# KiCad board ZakladniElektronika.kicad_pcb (continued)
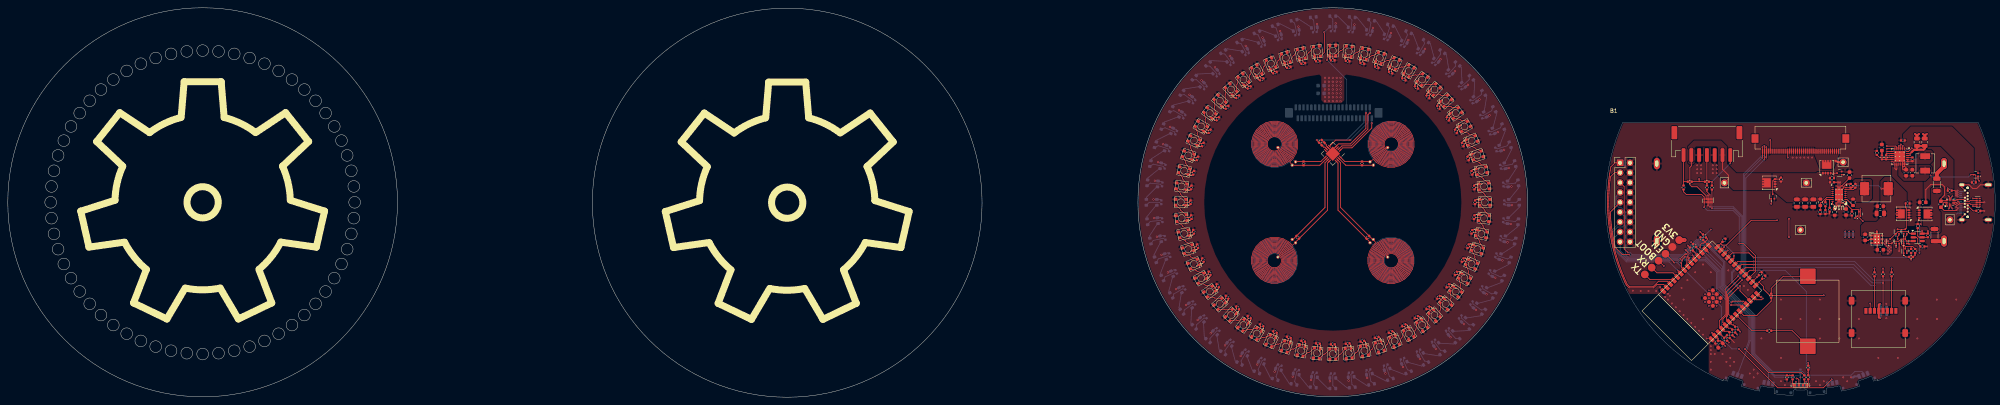
[diagram p0: board, top side]
## Routing (per net, layer and track width the routed paths; a pad name or vN(x,y) marks a point on that pad's centre or on a via; arc(x,y) is an arc through that point) (continued)
  Bottom w0.2: v1(430.5,37.9) 430.71,37.9 433.32,40.5 434.4,40.5 v1(437,43.1)
/HlavniDeska/Nabijecka.D+: length 23
  Top w0.2: v1(498.05,48.5) 498.2,48.65 U2.1 ; v1(486.25,64.62) U3.2
  In1.Cu w0.2: v1(498.05,48.5) 498.05,51.07 495.9,53.22 495.9,55.28 486.56,64.62 v1(486.25,64.62)
/HlavniDeska/Nabijecka.D-: length 21.2
  Top w0.2: U3.3 v1(485.75,64.96) ; v1(497.98,51.79) 498.2,51.57 U2.7
  In1.Cu w0.2: v1(485.75,64.96) 485.86,65.07 486.67,65.07 488.08,63.66 488.08,63.64 488.34,63.38 488.36,63.38 496.3,55.44 496.3,53.47 v1(497.98,51.79)
/HlavniDeska/SCL: length 88.4
  Top w0.2: U3.5 484.75,64.27 484.46,64.56 v1(482.14,64.56) ; v1(444.5,30.6) 440.98,27.08 440.98,21.01 440.1,20.13 440.1,19.18 U11.5 441.53,17.75 442.14,17.75 R37.2 ; v1(450.25,64.29) J11.40 450.25,61.59 v1(450.24,61.58)
  In1.Cu w0.2: v1(450.25,64.29) 450.25,64.76 450.62,65.13 481.57,65.13 v1(482.14,64.56)
  Bottom w0.2: v1(450.24,61.58) 445.69,57.03 445.69,32.65 444.5,31.47 v1(444.5,30.6)
/HlavniDeska/SDA: length 85.6
  Top w0.2: v1(450.75,64.62) J11.39 v1(450.75,61.1) ; U3.6 482.15,63.86 v1(482.14,63.87) ; R39.2 442.79,18.6 442.48,18.6 U11.6 441.01,20.07 441.01,20.59 441.28,20.86 441.28,26.38 v1(445,30.1)
  In1.Cu w0.2: v1(482.14,63.87) 481.18,64.83 450.96,64.83 v1(450.75,64.62)
  Bottom w0.2: v1(450.75,61.1) 445.99,56.34 445.99,32.53 445,31.54 v1(445,30.1)
/HlavniDeska/SpravceNapajeni/CHARGER_STAT: length 100
  Top w0.2: U3.4 v1(485.25,64.62) ; v1(462,8.88) R13.1
  In1.Cu w0.2: v1(462,8.88) 473.58,8.88 506.58,41.88 506.58,47.72 506.57,47.72 506.57,48.08 506.58,48.08 506.58,49.92 506.57,49.92 506.57,50.28 506.58,50.28 506.58,56.38 497.54,65.41 485.56,65.41 485.25,65.1 v1(485.25,64.62)
/HlavniDeska/SpravceNapajeni/Charging/BATT: length 68.7
  Top w0.2: U3.14 484.75,58.64 484.56,58.45 484.25,58.76 U3.13
  In1.Cu w0.2: v1(461.51,4.01) 461.5,4.02 461.47,4.02 461.4,3.95 459.6,3.95 ; 459.6,3.95 459.52,3.95 459.53,3.96 459.53,7.49 461.69,9.64 473.39,9.64 490.55,26.8 v1(490.55,37.11) ; 459.6,3.95 v1(458.85,3.95)
  Bottom w0.2: v1(490.85,44.51) 490.55,44.21 v1(490.55,37.11) ; SW3.1 v1(458.85,3.95) ; v1(461.51,4.01) 461.15,3.65 SW3.1
/HlavniDeska/SpravceNapajeni/Charging/CE: length 27.4
  Top w0.2: v1(503.7,57.2) Q9.3 504.8,57.2 505.01,56.99 R53.2 ; U3.9 482.85,62.15 v1(482.8,62.1)
  In1.Cu w0.2: v1(482.8,62.1) 483.65,61.25 489.15,61.25 v1(493.4,57)
  Bottom w0.2: v1(493.4,57) 493.8,56.6 503.1,56.6 v1(503.7,57.2)
/HlavniDeska/SpravceNapajeni/Charging/SW: length 1.8
  Top w0.2: U3.20 U3.19 487.48,60.67 C6.1
/HlavniDeska/SpravceNapajeni/Power multiplier/EN-5V: length 25.4
  Top w0.2: U16.2 471.55,49.9 473.2,48.25 ; R47.2 473.2,48.25 ; 473.2,48.25 474.8,48.25 475,48.05 D122.3 475,46.25 v1(476,45.25)
  In1.Cu w0.2: TP8.1 461.34,44.34 475.09,44.34 v1(476,45.25)
/HlavniDeska/SpravceNapajeni/USB_SEL: length 24.4
  Top w0.2: U2.10 497.54,49.26 v1(497.55,49.25) ; v1(497.8,53.7) 497.8,53.42 497.79,53.41 R2.2 ; U3.24 487.73,63.15 v1(488.57,63.99)
  In1.Cu w0.2: v1(497.55,49.25) 497.55,48.36 497.86,48.05 498.24,48.05 498.5,48.31 498.5,53 v1(497.8,53.7) 497,54.5 497,55.56 v1(488.57,63.99)
/HlavniDeska/USB/D+: length 7.9
  Top w0.2: v1(500.4,50.35) 500.74,50.01 500.74,49.7 ; U13.4 503.65,49.6 503.4,49.85 502.36,49.85 J2.B6 500.74,49.7 ; 500.74,49.7 500.39,49.36 499.99,49.36 499.65,49.7 U2.3
  Bottom w0.2: v1(500.4,50.35) J2.A6
/HlavniDeska/USB/D-: length 7.8
  Top w0.2: U2.5 499.85,50.5 500.18,50.82 501.88,50.82 J2.B7 502.36,50.35 503.35,50.35 503.6,50.6 U13.2
  Bottom w0.2: J2.A7 501.56,49.85 J2.B7
/HlavniDeska/USB/USB_CC1: length 1.7
  Bottom w0.2: J2.A5 R4.1
/HlavniDeska/USB/USB_CC2: length 2.8
  Top w0.2: R3.1 504.31,47.9 J2.B5
/HlavniDeska/USB/V_USB: length 33.4
  Top w0.2: R2.1 499.65,53.1 v1(499.9,52.85) ; U13.1 v1(504.25,51.1) ; U2.9 496.88,50.1 496.66,49.89 496.66,49.41 496.07,48.82 C162.1 496.88,48 499.91,48 v1(500.09,48.18) ; U13.5 v1(504.25,49.1)
  In1.Cu w0.1: J2.B9 501.75,51.3 501.71,51.34
  In1.Cu w0.2: 500.01,45.65 499.96,45.6 TP1.1 ; J2.B9 502.1,51.3 502.05,51.25 ; 502.25,48.95 502.15,48.95 501.9,48.7 502.1,48.9 J2.B4
  In1.Cu w0.8: 501.25,50.88 501.25,48.05
  In1.Cu w1: 501.25,50.88 501.71,51.34 ; 501.23,48.02 501.25,48.05 ; 501.23,48.02 501.9,48.7 ; 501.23,48.02 500.01,46.81 500.01,45.14 500.65,44.5 502.56,44.5 504.25,46.19 v1(504.25,49.1) v1(504.25,51.1)
  Bottom w0.2: J2.A9 502.16,48.85 J2.B4 ; J2.B9 502.16,51.35 J2.A4
  vias: v1(499.9,52.35) v1(499.9,51.85) v1(499.96,48.89) v1(500.31,53.1) v1(500.31,52.6) v1(500.31,52.1) v1(500.31,51.6) v1(500.39,48.6)
/LedDeska/AN-GND: length 25.8
  Top w0.2: U1.3 340,62.95 ; 340,62.95 U1.6 338.32,64.63 338.32,64.96 C4.2 C3.2 ; 340,62.95 U1.17 ; v2(348.5,73.1) 348.5,69.1 344.5,65.1 341.44,65.1 U1.4 340,63.66 U1.17 ; U1.17 338.94,62.6 U1.8
  Bottom w0.2: v2(348.5,73.1) J10.37
/LedDeska/INT-LDC: length 13.5
  Top w0.2: v2(344.5,66.1) 340.76,66.1 U1.5
  Bottom w0.2: v2(344.5,66.1) 349,70.6 J10.38
/LedDeska/LED-GND: length 316.9
  Top w0.2: C40.2 347.69,13.93 347.86,13.13 ; C23.2 373.78,65.14 374.53,65.47 ; 365.29,22.01 364.74,22.62 C35.2 ; 304.05,38.42 304.83,38.67 C54.2 ; C50.2 312.52,25.36 311.91,24.81 ; 317.78,80.68 318.26,80.02 C66.2 ; C43.2 336.13,13.32 336.05,12.51 ; C36.2 361.74,20.18 362.22,19.52 ; C44.2 332.31,13.93 332.14,13.13 ; 336.05,87.69 336.13,86.88 C71.2 ; 370.58,27.88 369.92,28.36 C33.2 ; 377.59,54.05 376.78,53.97 C26.2 ; C31.2 373.78,35.06 374.53,34.73 ; 358.9,82.84 358.49,82.13 C17.2 ; C68.2 324.96,83.88 324.63,84.63 ; C25.2 376.17,57.79 376.97,57.96 ; C30.2 375.17,38.67 375.95,38.42 ; C58.2 303.22,53.97 302.41,54.05 ; C64.2 312.52,74.84 311.91,75.39 ; C24.2 375.17,61.53 375.95,61.78 ; 368.09,24.81 367.48,25.36 C34.2 ; C63.2 310.08,71.84 309.42,72.32 ; C49.2 315.26,22.62 314.71,22.01 ; 302.41,46.15 303.22,46.23 C56.2 ; 321.1,82.84 321.51,82.13 C67.2 ; C53.2 306.22,35.06 305.47,34.73 ; 376.97,42.24 376.17,42.41 C29.2 ; C20.2 367.48,74.84 368.09,75.39 ; 372.74,31.2 372.03,31.61 C32.2 ; C13.2 343.87,86.88 343.95,87.69 ; C48.2 318.26,20.18 317.78,19.52 ; C15.2 351.43,85.27 351.68,86.05 ; 324.63,15.57 324.96,16.32 C46.2 ; 309.42,27.88 310.08,28.36 C51.2 ; C55.2 303.83,42.41 303.03,42.24 ; 355.37,15.57 355.04,16.32 C38.2 ; 314.71,78.19 315.26,77.58 C65.2 ; 340,12.3 340,13.12 C42.2 ; 321.1,17.36 321.51,18.07 C47.2 ; 305.47,65.47 306.22,65.14 C61.2 ; 362.22,80.68 361.74,80.02 C18.2 ; C60.2 304.83,61.53 304.05,61.78 ; 343.95,12.51 343.87,13.32 C41.2 ; 340,87.9 340,87.08 C12.2 ; 307.26,31.2 307.97,31.61 C52.2 ; C39.2 351.43,14.93 351.68,14.15 ; 377.59,46.15 376.78,46.23 C28.2 ; C70.2 332.31,86.27 332.14,87.07 ; C62.2 307.97,68.59 307.26,69 ; C27.2 376.98,50.1 377.8,50.1 ; C57.2 303.02,50.1 302.2,50.1 ; C45.2 328.57,14.93 328.32,14.15 ; 355.37,84.63 355.04,83.88 C16.2 ; C14.2 347.69,86.27 347.86,87.07 ; 358.9,17.36 358.49,18.07 C37.2 ; 365.29,78.19 364.74,77.58 C19.2 ; 328.32,86.05 328.57,85.27 C69.2 ; 370.58,72.32 369.92,71.84 C21.2 ; 303.03,57.96 303.83,57.79 C59.2 ; C22.2 372.03,68.59 372.74,69
  Bottom w0.2: D90.3 344,5.15 343.9,6.02 C101.2 ; D90.3 v2(344.06,4.27) ; D90.3 v2(344.06,4.27) ; D90.3 v2(344.06,4.27) ; D71.3 379.44,72.03 378.68,71.59 C82.2 ; D71.3 v2(380.21,72.45) ; D71.3 v2(380.21,72.45) ; D71.3 v2(380.21,72.45) ; D111.3 v2(300.54,73.75) ; D111.3 v2(300.54,73.75) ; D111.3 v2(300.54,73.75) ; D111.3 301.28,73.29 302.05,72.85 C122.2 ; D117.3 v2(321.98,92.43) ; D117.3 v2(321.98,92.43) ; D117.3 v2(321.98,92.43) ; D117.3 322.31,91.62 322.67,90.81 C128.2 ; D119.3 331.33,94.39 331.51,93.53 C130.2 ; D119.3 v2(331.17,95.25) ; D119.3 v2(331.17,95.25) ; D119.3 v2(331.17,95.25) ; D100.3 v2(302.34,23.67) ; D100.3 v2(302.34,23.67) ; D100.3 303.07,24.16 303.78,24.68 C111.2 ; D100.3 v2(302.34,23.67) ; D115.3 v2(313.57,87.76) ; D115.3 v2(313.57,87.76) ; D115.3 v2(313.57,87.76) ; D115.3 314.06,87.03 314.58,86.32 C126.2 ; D105.3 v2(294.17,46.04) ; D105.3 v2(294.17,46.04) ; D105.3 295.05,46.1 295.92,46.2 C116.2 ; D105.3 v2(294.17,46.04) ; D104.3 v2(294.85,41.27) ; D104.3 295.71,41.43 296.57,41.61 C115.2 ; D104.3 v2(294.85,41.27) ; D104.3 v2(294.85,41.27) ; D99.3 305.98,20.44 306.63,21.03 C110.2 ; D99.3 v2(305.31,19.88) ; D99.3 v2(305.31,19.88) ; D99.3 v2(305.31,19.88) ; D78.3 383.99,40.01 383.13,40.19 C89.2 ; D78.3 v2(384.84,39.8) ; D78.3 v2(384.84,39.8) ; D78.3 v2(384.84,39.8) ; C75.2 354.36,91.96 354.63,92.79 D64.3 ; C107.2 317.25,12.15 316.81,11.38 D96.3 ; D116.3 v2(317.65,90.31) ; D116.3 v2(317.65,90.31) ; D116.3 v2(317.65,90.31) ; D116.3 318.07,89.54 318.51,88.78 C127.2 ; D75.3 v2(385.83,54.16) ; D75.3 384.95,54.1 384.08,54 C86.2 ; D75.3 v2(385.83,54.16) ; D75.3 v2(385.83,54.16) ; D65.3 v2(359.4,91.82) ; D65.3 v2(359.4,91.82) ; D65.3 359.02,91.03 358.66,90.22 C76.2 ; D65.3 v2(359.4,91.82) ; D79.3 v2(383.52,35.17) ; D79.3 382.69,35.47 381.86,35.74 C90.2 ; D79.3 v2(383.52,35.17) ; D79.3 v2(383.52,35.17) ; D80.3 v2(381.72,30.7) ; D80.3 v2(381.72,30.7) ; D80.3 v2(381.72,30.7) ; D80.3 380.93,31.08 380.12,31.44 C91.2 ; D91.3 v2(339.25,4.1) ; D91.3 339.27,4.97 339.27,5.85 C102.2 ; D91.3 v2(339.25,4.1) ; D91.3 v2(339.25,4.1) ; D72.3 v2(382.33,68.12) ; D72.3 v2(382.33,68.12) ; D72.3 v2(382.33,68.12) ; D72.3 381.52,67.79 380.71,67.43 C83.2 ; D69.3 374.02,79.76 373.37,79.17 C80.2 ; D69.3 v2(374.69,80.32) ; D69.3 v2(374.69,80.32) ; D69.3 v2(374.69,80.32) ; D86.3 v2(362.35,9.89) ; D86.3 v2(362.35,9.89) ; D86.3 v2(362.35,9.89) ; D86.3 361.93,10.66 361.49,11.42 C97.2 ; C117.2 295.75,50.82 294.88,50.82 D106.3 ; D110.3 v2(298.28,69.5) ; D110.3 v2(298.28,69.5) ; D110.3 299.07,69.12 299.88,68.76 C121.2 ; D110.3 v2(298.28,69.5) ; D87.3 357.69,8.58 357.33,9.39 C98.2 ; D87.3 v2(358.02,7.77) ; D87.3 v2(358.02,7.77) ; D87.3 v2(358.02,7.77) ; D76.3 385.12,49.38 384.25,49.38 C87.2 ; D76.3 v2(386,49.35) ; D76.3 v2(386,49.35) ; D76.3 v2(386,49.35) ; D94.3 v2(325.07,6.58) ; D94.3 325.37,7.41 325.64,8.24 C105.2 ; D94.3 v2(325.07,6.58) ; D94.3 v2(325.07,6.58) ; C93.2 375.37,23.51 376.08,22.99 D82.3 ; D109.3 297.31,64.73 298.14,64.46 C120.2 ; D109.3 v2(296.48,65.03) ; D109.3 v2(296.48,65.03) ; D109.3 v2(296.48,65.03) ; D112.3 v2(303.23,77.74) ; D112.3 303.92,77.21 304.63,76.69 C123.2 ; D112.3 v2(303.23,77.74) ; D112.3 v2(303.23,77.74) ; D84.3 v2(370.22,15.41) ; D84.3 369.66,16.08 369.07,16.73 C95.2 ; D84.3 v2(370.22,15.41) ; D84.3 v2(370.22,15.41) ; D118.3 v2(326.5,94.08) ; D118.3 v2(326.5,94.08) ; D118.3 326.75,93.24 327.02,92.4 C129.2 ; D118.3 v2(326.5,94.08) ; D96.3 v2(316.35,10.64) ; D96.3 v2(316.35,10.64) ; D96.3 v2(316.35,10.64) ; D107.3 v2(294.33,55.65) ; D107.3 v2(294.33,55.65) ; D107.3 295.2,55.54 296.07,55.45 C118.2 ; D107.3 v2(294.33,55.65) ; D68.3 v2(371.34,83.78) ; D68.3 370.73,83.15 370.14,82.5 C79.2 ; D68.3 v2(371.34,83.78) ; D68.3 v2(371.34,83.78) ; D89.3 v2(348.83,4.95) ; D89.3 v2(348.83,4.95) ; D89.3 v2(348.83,4.95) ; D89.3 348.67,5.81 348.49,6.67 C100.2 ; D83.3 v2(373.68,18.76) ; D83.3 v2(373.68,18.76) ; D83.3 v2(373.68,18.76) ; D83.3 373.05,19.37 372.4,19.96 C94.2 ; D73.3 v2(383.98,63.6) ; D73.3 v2(383.98,63.6) ; D73.3 383.14,63.35 382.3,63.08 C84.2 ; D73.3 v2(383.98,63.6) ; D66.3 363.19,88.82 362.75,88.05 C77.2 ; D66.3 v2(363.65,89.56) ; D66.3 v2(363.65,89.56) ; D66.3 v2(363.65,89.56) ; D77.3 384.8,44.66 383.93,44.75 C88.2 ; D77.3 v2(385.67,44.55) ; D77.3 v2(385.67,44.55) ; D77.3 v2(385.67,44.55) ; D101.3 v2(299.79,27.75) ; D101.3 v2(299.79,27.75) ; D101.3 300.56,28.17 301.32,28.61 C112.2 ; D101.3 v2(299.79,27.75) ; D103.3 v2(296.02,36.6) ; D103.3 v2(296.02,36.6) ; D103.3 296.86,36.85 297.7,37.12 C114.2 ; D103.3 v2(296.02,36.6) ; D95.3 v2(320.6,8.38) ; D95.3 320.98,9.17 321.34,9.98 C106.2 ; D95.3 v2(320.6,8.38) ; D95.3 v2(320.6,8.38) ; D81.3 378.72,26.91 377.95,27.35 C92.2 ; D81.3 v2(379.46,26.45) ; D81.3 v2(379.46,26.45) ; D81.3 v2(379.46,26.45) ; D70.3 v2(377.66,76.53) ; D70.3 v2(377.66,76.53) ; D70.3 v2(377.66,76.53) ; D70.3 376.93,76.04 376.22,75.52 C81.2 ; D97.3 v2(312.36,13.33) ; D97.3 v2(312.36,13.33) ; D97.3 v2(312.36,13.33) ; D97.3 312.89,14.02 313.41,14.73 C108.2 ; D74.3 v2(385.15,58.93) ; D74.3 v2(385.15,58.93) ; D74.3 v2(385.15,58.93) ; D74.3 384.29,58.77 383.43,58.59 C85.2 ; D93.3 329.91,6.11 330.09,6.97 C104.2 ; D93.3 v2(329.7,5.26) ; D93.3 v2(329.7,5.26) ; D93.3 v2(329.7,5.26) ; C96.2 365.42,13.88 365.94,13.17 D85.3 ; D88.3 v2(353.5,6.12) ; D88.3 353.25,6.96 352.98,7.8 C99.2 ; D88.3 v2(353.5,6.12) ; D88.3 v2(353.5,6.12) ; D85.3 v2(366.43,12.44) ; D85.3 v2(366.43,12.44) ; D85.3 v2(366.43,12.44) ; C113.2 299.29,32.77 298.48,32.41 D102.3 ; D64.3 v2(354.93,93.62) ; D64.3 v2(354.93,93.62) ; D64.3 v2(354.93,93.62) ; D120.3 v2(335.94,95.93) ; D120.3 336,95.05 336.1,94.18 C131.2 ; D120.3 v2(335.94,95.93) ; D120.3 v2(335.94,95.93) ; D106.3 v2(294,50.85) ; D106.3 v2(294,50.85) ; D106.3 v2(294,50.85) ; D67.3 v2(367.64,86.87) ; D67.3 367.11,86.18 366.59,85.47 C78.2 ; D67.3 v2(367.64,86.87) ; D67.3 v2(367.64,86.87) ; D108.3 v2(295.16,60.4) ; D108.3 v2(295.16,60.4) ; D108.3 296.01,60.19 296.87,60.01 C119.2 ; D108.3 v2(295.16,60.4) ; D98.3 309.27,17.05 309.86,17.7 C109.2 ; D98.3 v2(308.66,16.42) ; D98.3 v2(308.66,16.42) ; D98.3 v2(308.66,16.42) ; D63.3 v2(350.3,94.94) ; D63.3 350.09,94.09 349.91,93.23 C74.2 ; D63.3 v2(350.3,94.94) ; D63.3 v2(350.3,94.94) ; D113.3 v2(306.32,81.44) ; D113.3 v2(306.32,81.44) ; D113.3 v2(306.32,81.44) ; D113.3 306.95,80.83 307.6,80.24 C124.2 ; C73.2 345.35,94.03 345.44,94.9 D62.3 ; C125.2 310.93,83.47 310.34,84.12 D114.3 ; D82.3 v2(376.77,22.46) ; D82.3 v2(376.77,22.46) ; D82.3 v2(376.77,22.46) ; D62.3 v2(345.55,95.77) ; D62.3 v2(345.55,95.77) ; D62.3 v2(345.55,95.77) ; D92.3 v2(334.45,4.43) ; D92.3 v2(334.45,4.43) ; D92.3 334.56,5.3 334.65,6.17 C103.2 ; D92.3 v2(334.45,4.43) ; D102.3 v2(297.67,32.08) ; D102.3 v2(297.67,32.08) ; D102.3 v2(297.67,32.08) ; D114.3 v2(309.78,84.79) ; D114.3 v2(309.78,84.79) ; D114.3 v2(309.78,84.79) ; C72.2 340.73,94.34 340.73,95.22 D61.3 v2(340.75,96.1)
  vias: v2(338,82.1) v2(338,81.1) v2(338,79.1) v2(338,77.1) v2(338,76.1) v2(339,82.1) v2(339,81.1) v2(339,80.1) v2(339,79.1) v2(339,78.1) v2(339,77.1) v2(339,76.1) v2(340,82.1) v2(340,81.1) v2(340,80.1) v2(340,79.1) v2(340,78.1) v2(340,77.1) v2(340,76.1) v2(341,82.1) v2(341,81.1) v2(341,80.1) v2(341,79.1) v2(341,78.1) v2(341,77.1) v2(341,76.1) v2(342,82.1) v2(342,81.1) v2(342,80.1) v2(342,79.1) v2(342,78.1) v2(342,77.1) v2(342,76.1)
/LedDeska/LedRing-Axial/DOUT: length 8.8
  Top w0.2: D60.2 337.82,88.64 v2(337.82,93.82)
  Bottom w0.2: 339.23,95.42 D61.4 v2(337.82,93.82)
/LedDeska/SCL: length 13
  Top w0.2: U1.1 342.56,64.1 344.9,64.1 350,69.2 v2(350,70.44)
  Bottom w0.2: v2(350,70.44) J10.40
/LedDeska/SDA: length 15.4
  Top w0.2: U1.2 342.35,64.6 344.7,64.6 349,68.9 349,72.59 v2(349.5,73.09)
  Bottom w0.2: v2(349.5,73.09) J10.39
/LedDeska/WS2812: length 18.3
  Top w0.2: v2(338.55,86.65) 338.55,89.15 339.25,89.85 D1.4
  Bottom w0.2: J10.27 343.5,81.7 v2(338.55,86.65)
Net-(BZ1-+): length 12.1
  Top w0.2: R15.2 452.5,28 455.6,31.1 BZ1.2
Net-(BZ1--): length 11
  Top w0.2: BZ1.1 457.9,17.1 R14.2
Net-(C157-Pad1): length 1
  Top w0.2: C157.1 R56.2
Net-(D1-DOUT): length 3.8
  Top w0.2: D1.2 340.75,87.85 342.02,89.12 342.29,89.12 D2.4
Net-(D2-DOUT): length 3.8
  Top w0.2: D3.4 346.36,88.67 346.09,88.7 344.69,87.56 D2.2
Net-(D3-DOUT): length 3.8
  Top w0.2: D3.2 348.58,86.87 350.09,87.85 350.35,87.8 D4.4
Net-(D4-DOUT): length 3.8
  Top w0.2: D5.4 354.24,86.51 353.99,86.59 352.38,85.77 D4.2
Net-(D5-DOUT): length 3.8
  Top w0.2: D6.4 357.96,84.82 357.72,84.93 356.04,84.28 D5.2
Net-(D6-DOUT): length 3.8
  Top w0.2: D6.2 359.52,82.42 361.27,82.88 361.5,82.75 D7.4
Net-(D7-DOUT): length 3.8
  Top w0.2: D8.4 364.79,80.33 364.58,80.48 362.8,80.2 D7.2
Net-(D8-DOUT): length 3.8
  Top w0.2: D9.4 367.81,77.57 367.62,77.75 365.82,77.65 D8.2
Net-(D10-DIN): length 3.8
  Top w0.2: D10.4 370.53,74.51 370.36,74.71 368.56,74.8 D9.2
Net-(D10-DOUT): length 3.8
  Top w0.2: D10.2 370.98,71.68 372.76,71.4 372.92,71.19 D11.4
Net-(D11-DOUT): length 3.8
  Top w0.2: D12.4 374.94,67.63 374.81,67.86 373.07,68.33 D11.2
Net-(D12-DOUT): length 3.8
  Top w0.2: D12.2 374.79,64.77 376.47,64.12 376.58,63.88 D13.4
Net-(D13-DOUT): length 3.8
  Top w0.2: D13.2 376.13,61.05 377.74,60.23 377.82,59.98 D14.4
Net-(D14-DOUT): length 3.8
  Top w0.2: D14.2 377.08,57.22 378.59,56.23 378.65,55.97 D15.4
Net-(D15-DOUT): length 3.8
  Top w0.2: D15.2 377.62,53.3 379.02,52.17 379.05,51.9 D16.4
Net-(D16-DOUT): length 3.8
  Top w0.2: D16.2 377.75,49.35 379.02,48.07 379.02,47.81 D17.4
Net-(D17-DOUT): length 3.8
  Top w0.2: D18.4 378.57,43.74 378.6,44.01 377.46,45.41 D17.2
Net-(D18-DOUT): length 3.8
  Top w0.2: D18.2 376.77,41.52 377.75,40.01 377.7,39.75 D19.4
Net-(D19-DOUT): length 3.8
  Top w0.2: D19.2 375.67,37.72 376.49,36.11 376.41,35.86 D20.4
Net-(D20-DOUT): length 3.8
  Top w0.2: D20.2 374.18,34.06 374.83,32.38 374.72,32.14 D21.4
Net-(D21-DOUT): length 3.8
  Top w0.2: D21.2 372.32,30.58 372.78,28.83 372.65,28.6 D22.4
Net-(D22-DOUT): length 3.8
  Top w0.2: D22.2 370.1,27.3 370.38,25.52 370.23,25.31 D23.4
Net-(D23-DOUT): length 3.8
  Top w0.2: D23.2 367.55,24.28 367.65,22.48 367.47,22.29 D24.4
Net-(D24-DOUT): length 3.8
  Top w0.2: D24.2 364.7,21.54 364.61,19.74 364.41,19.57 D25.4
Net-(D25-DOUT): length 3.8
  Top w0.2: D26.4 361.09,17.18 361.3,17.34 361.58,19.12 D25.2
Net-(D26-DOUT): length 3.8
  Top w0.2: D27.4 357.53,15.16 357.76,15.29 358.23,17.03 D26.2
Net-(D27-DOUT): length 3.8
  Top w0.2: D28.4 353.78,13.52 354.02,13.63 354.67,15.31 D27.2
Net-(D28-DOUT): length 3.8
  Top w0.2: D29.4 349.88,12.28 350.13,12.36 350.95,13.97 D28.2
Net-(D29-DOUT): length 3.8
  Top w0.2: D30.4 345.87,11.45 346.13,11.51 347.12,13.02 D29.2
Net-(D30-DOUT): length 3.8
  Top w0.2: D31.4 341.8,11.05 342.07,11.08 343.2,12.48 D30.2
Net-(D31-DOUT): length 3.8
  Top w0.2: D32.4 337.71,11.07 337.98,11.07 339.25,12.35 D31.2
Net-(D32-DOUT): length 3.8
  Top w0.2: D32.2 335.31,12.64 333.91,11.5 333.64,11.53 D33.4
Net-(D33-DOUT): length 3.8
  Top w0.2: D34.4 329.65,12.4 329.91,12.35 331.42,13.33 D33.2
Net-(D34-DOUT): length 3.8
  Top w0.2: D34.2 327.62,14.43 326.01,13.61 325.76,13.69 D35.4
Net-(D35-DOUT): length 3.8
  Top w0.2: D36.4 322.04,15.38 322.28,15.27 323.96,15.92 D35.2
Net-(D36-DOUT): length 3.8
  Top w0.2: D36.2 320.48,17.78 318.73,17.32 318.5,17.45 D37.4
Net-(D37-DOUT): length 3.8
  Top w0.2: D38.4 315.21,19.87 315.42,19.72 317.2,20 D37.2
Net-(D38-DOUT): length 3.8
  Top w0.2: D39.4 312.19,22.63 312.38,22.45 314.18,22.55 D38.2
Net-(D39-DOUT): length 3.8
  Top w0.2: D39.2 311.44,25.4 309.64,25.49 309.47,25.69 D40.4
Net-(D40-DOUT): length 3.8
  Top w0.2: D41.4 307.08,29.01 307.24,28.8 309.02,28.52 D40.2
Net-(D41-DOUT): length 3.8
  Top w0.2: D42.4 305.06,32.57 305.19,32.34 306.93,31.87 D41.2
Net-(D42-DOUT): length 3.8
  Top w0.2: D42.2 305.21,35.43 303.53,36.08 303.42,36.32 D43.4
Net-(D43-DOUT): length 3.8
  Top w0.2: D43.2 303.87,39.15 302.26,39.97 302.18,40.22 D44.4
Net-(D44-DOUT): length 3.8
  Top w0.2: D45.4 301.35,44.23 301.41,43.97 302.92,42.98 D44.2
Net-(D45-DOUT): length 3.8
  Top w0.2: D46.4 300.95,48.3 300.98,48.03 302.38,46.9 D45.2
Net-(D46-DOUT): length 3.8
  Top w0.2: D47.4 300.98,52.39 300.98,52.12 302.25,50.85 D46.2
Net-(D47-DOUT): length 3.8
  Top w0.2: D47.2 302.54,54.79 301.4,56.19 301.43,56.46 D48.4
Net-(D48-DOUT): length 3.8
  Top w0.2: D48.2 303.23,58.68 302.25,60.19 302.3,60.45 D49.4
Net-(D49-DOUT): length 3.8
  Top w0.2: D49.2 304.33,62.48 303.51,64.09 303.59,64.34 D50.4
Net-(D50-DOUT): length 3.8
  Top w0.2: D50.2 305.82,66.14 305.17,67.82 305.28,68.06 D51.4
Net-(D51-DOUT): length 3.8
  Top w0.2: D51.2 307.68,69.62 307.22,71.37 307.35,71.6 D52.4
Net-(D52-DOUT): length 3.8
  Top w0.2: D53.4 309.77,74.89 309.62,74.68 309.9,72.9 D52.2
Net-(D53-DOUT): length 3.8
  Top w0.2: D54.4 312.53,77.91 312.35,77.72 312.45,75.92 D53.2
Net-(D54-DOUT): length 3.8
  Top w0.2: D54.2 315.3,78.66 315.39,80.46 315.59,80.63 D55.4
Net-(D55-DOUT): length 3.8
  Top w0.2: D55.2 318.42,81.08 318.7,82.86 318.91,83.02 D56.4
Net-(D56-DOUT): length 3.8
  Top w0.2: D56.2 321.77,83.17 322.24,84.91 322.47,85.04 D57.4
Net-(D57-DOUT): length 3.8
  Top w0.2: D58.4 326.22,86.68 325.98,86.57 325.33,84.89 D57.2
Net-(D58-DOUT): length 3.8
  Top w0.2: D58.2 329.05,86.23 329.87,87.84 330.12,87.92 D59.4
Net-(D59-DOUT): length 3.8
  Top w0.2: D59.2 332.88,87.18 333.87,88.69 334.13,88.75 D60.4
Net-(D61-DOUT): length 4.5
  Bottom w0.2: D61.2 341.27,97.95 343.97,95.25 D62.4
Net-(D62-DOUT): length 4.5
  Bottom w0.2: D63.4 348.67,94.59 346.27,97.55 D62.2
Net-(D63-DOUT): length 4.5
  Bottom w0.2: D64.4 353.27,93.44 351.2,96.64 D63.2
Net-(D64-DOUT): length 4.5
  Bottom w0.2: D65.4 357.73,91.81 356,95.21 D64.2
Net-(D65-DOUT): length 4.5
  Bottom w0.2: D66.4 361.99,89.73 360.63,93.29 D65.2
Net-(D66-DOUT): length 4.5
  Bottom w0.2: D66.2 365.03,90.9 366.02,87.22 D67.4
Net-(D67-DOUT): length 4.5
  Bottom w0.2: D67.2 369.16,88.06 369.75,84.29 D68.4
Net-(D68-DOUT): length 4.5
  Bottom w0.2: D69.4 373.17,81 372.97,84.81 D68.2
Net-(D69-DOUT): length 4.5
  Bottom w0.2: D69.2 376.41,81.17 376.21,77.36 D70.4
Net-(D70-DOUT): length 4.5
  Bottom w0.2: D71.4 378.86,73.42 379.46,77.19 D70.2
Net-(D71-DOUT): length 4.5
  Bottom w0.2: D71.2 382.08,72.92 381.09,69.23 D72.4
Net-(D72-DOUT): length 4.5
  Bottom w0.2: D73.4 382.86,64.83 384.23,68.4 D72.2
Net-(D73-DOUT): length 4.5
  Bottom w0.2: D73.2 385.9,63.67 384.17,60.27 D74.4
Net-(D74-DOUT): length 4.5
  Bottom w0.2: D75.4 384.99,55.6 387.07,58.8 D74.2
Net-(D75-DOUT): length 4.5
  Bottom w0.2: D75.2 387.72,53.83 385.32,50.87 D76.4
Net-(D76-DOUT): length 4.5
  Bottom w0.2: D77.4 385.15,46.13 387.85,48.82 D76.2
Net-(D77-DOUT): length 4.5
  Bottom w0.2: D78.4 384.49,41.43 387.45,43.83 D77.2
Net-(D78-DOUT): length 4.5
  Bottom w0.2: D79.4 383.34,36.83 386.54,38.9 D78.2
Net-(D79-DOUT): length 4.5
  Bottom w0.2: D80.4 381.71,32.37 385.11,34.1 D79.2
Net-(D80-DOUT): length 4.5
  Bottom w0.2: D80.2 383.19,29.47 379.63,28.11 D81.4
Net-(D81-DOUT): length 4.5
  Bottom w0.2: D82.4 377.12,24.08 380.8,25.07 D81.2
Net-(D82-DOUT): length 4.5
  Bottom w0.2: D82.2 377.96,20.94 374.19,20.35 D83.4
Net-(D83-DOUT): length 4.5
  Bottom w0.2: D83.2 374.71,17.13 370.9,16.93 D84.4
Net-(D84-DOUT): length 4.5
  Bottom w0.2: D84.2 371.07,13.69 367.26,13.89 D85.4
Net-(D85-DOUT): length 4.5
  Bottom w0.2: D86.4 363.32,11.24 367.09,10.64 D85.2
Net-(D86-DOUT): length 4.5
  Bottom w0.2: D86.2 362.82,8.02 359.13,9.01 D87.4
Net-(D87-DOUT): length 4.5
  Bottom w0.2: D88.4 354.73,7.24 358.3,5.87 D87.2
Net-(D88-DOUT): length 4.5
  Bottom w0.2: D89.4 350.17,5.93 353.57,4.2 D88.2
Net-(D89-DOUT): length 4.5
  Bottom w0.2: D90.4 345.5,5.11 348.7,3.03 D89.2
Net-(D90-DOUT): length 4.5
  Bottom w0.2: D91.4 340.77,4.78 343.73,2.38 D90.2
Net-(D91-DOUT): length 4.5
  Bottom w0.2: D91.2 338.73,2.25 336.03,4.95 D92.4
Net-(D92-DOUT): length 4.5
  Bottom w0.2: D93.4 331.33,5.61 333.73,2.65 D92.2
Net-(D93-DOUT): length 4.5
  Bottom w0.2: D94.4 326.73,6.76 328.8,3.56 D93.2
Net-(D94-DOUT): length 4.5
  Bottom w0.2: D95.4 322.27,8.39 324,4.99 D94.2
Net-(D95-DOUT): length 4.5
  Bottom w0.2: D95.2 319.37,6.91 318.01,10.47 D96.4
Net-(D96-DOUT): length 4.5
  Bottom w0.2: D96.2 314.97,9.3 313.98,12.98 D97.4
Net-(D97-DOUT): length 4.5
  Bottom w0.2: D98.4 310.25,15.91 310.84,12.14 D97.2
Net-(D98-DOUT): length 4.5
  Bottom w0.2: D98.2 307.03,15.39 306.83,19.2 D99.4
Net-(D100-DIN): length 4.5
  Bottom w0.2: D100.4 303.79,22.84 303.59,19.03 D99.2
Net-(D100-DOUT): length 4.5
  Bottom w0.2: D100.2 300.54,23.01 301.14,26.78 D101.4
Net-(D101-DOUT): length 4.5
  Bottom w0.2: D101.2 297.92,27.28 298.91,30.97 D102.4
Net-(D102-DOUT): length 4.5
  Bottom w0.2: D103.4 297.14,35.37 295.77,31.8 D102.2
Net-(D103-DOUT): length 4.5
  Bottom w0.2: D104.4 295.83,39.93 294.1,36.53 D103.2
Net-(D104-DOUT): length 4.5
  Bottom w0.2: D104.2 292.93,41.4 295.01,44.6 D105.4
Net-(D105-DOUT): length 4.5
  Bottom w0.2: D106.4 294.68,49.33 292.28,46.37 D105.2
Net-(D106-DOUT): length 4.5
  Bottom w0.2: D107.4 294.85,54.07 292.15,51.38 D106.2
Net-(D107-DOUT): length 4.5
  Bottom w0.2: D107.2 292.55,56.37 295.51,58.77 D108.4
Net-(D108-DOUT): length 4.5
  Bottom w0.2: D109.4 296.66,63.37 293.46,61.3 D108.2
Net-(D109-DOUT): length 4.5
  Bottom w0.2: D109.2 294.89,66.1 298.29,67.83 D110.4
Net-(D110-DOUT): length 4.5
  Bottom w0.2: D111.4 300.37,72.09 296.81,70.73 D110.2
Net-(D111-DOUT): length 4.5
  Bottom w0.2: D111.2 299.2,75.13 302.88,76.12 D112.4
Net-(D112-DOUT): length 4.5
  Bottom w0.2: D113.4 305.81,79.85 302.04,79.26 D112.2
Net-(D113-DOUT): length 4.5
  Bottom w0.2: D114.4 309.1,83.27 305.29,83.07 D113.2
Net-(D114-DOUT): length 4.5
  Bottom w0.2: D114.2 308.93,86.51 312.74,86.31 D115.4
Net-(D115-DOUT): length 4.5
  Bottom w0.2: D116.4 316.68,88.96 312.91,89.56 D115.2
Net-(D116-DOUT): length 4.5
  Bottom w0.2: D116.2 317.18,92.18 320.87,91.19 D117.4
Net-(D117-DOUT): length 4.5
  Bottom w0.2: D118.4 325.27,92.96 321.7,94.33 D117.2
Net-(D118-DOUT): length 4.5
  Bottom w0.2: D119.4 329.83,94.27 326.43,96 D118.2
Net-(D119-DOUT): length 4.5
  Bottom w0.2: D119.2 331.3,97.17 334.5,95.09 D120.4
Net-(D125-BK): length 1.6
  Top w0.2: R28.1 462,3.4 D125.4
